# KiCad board ae89fa26-SparkFun_Thing_Plus_ESP32-S3_panelized.kicad_pcb (continued)
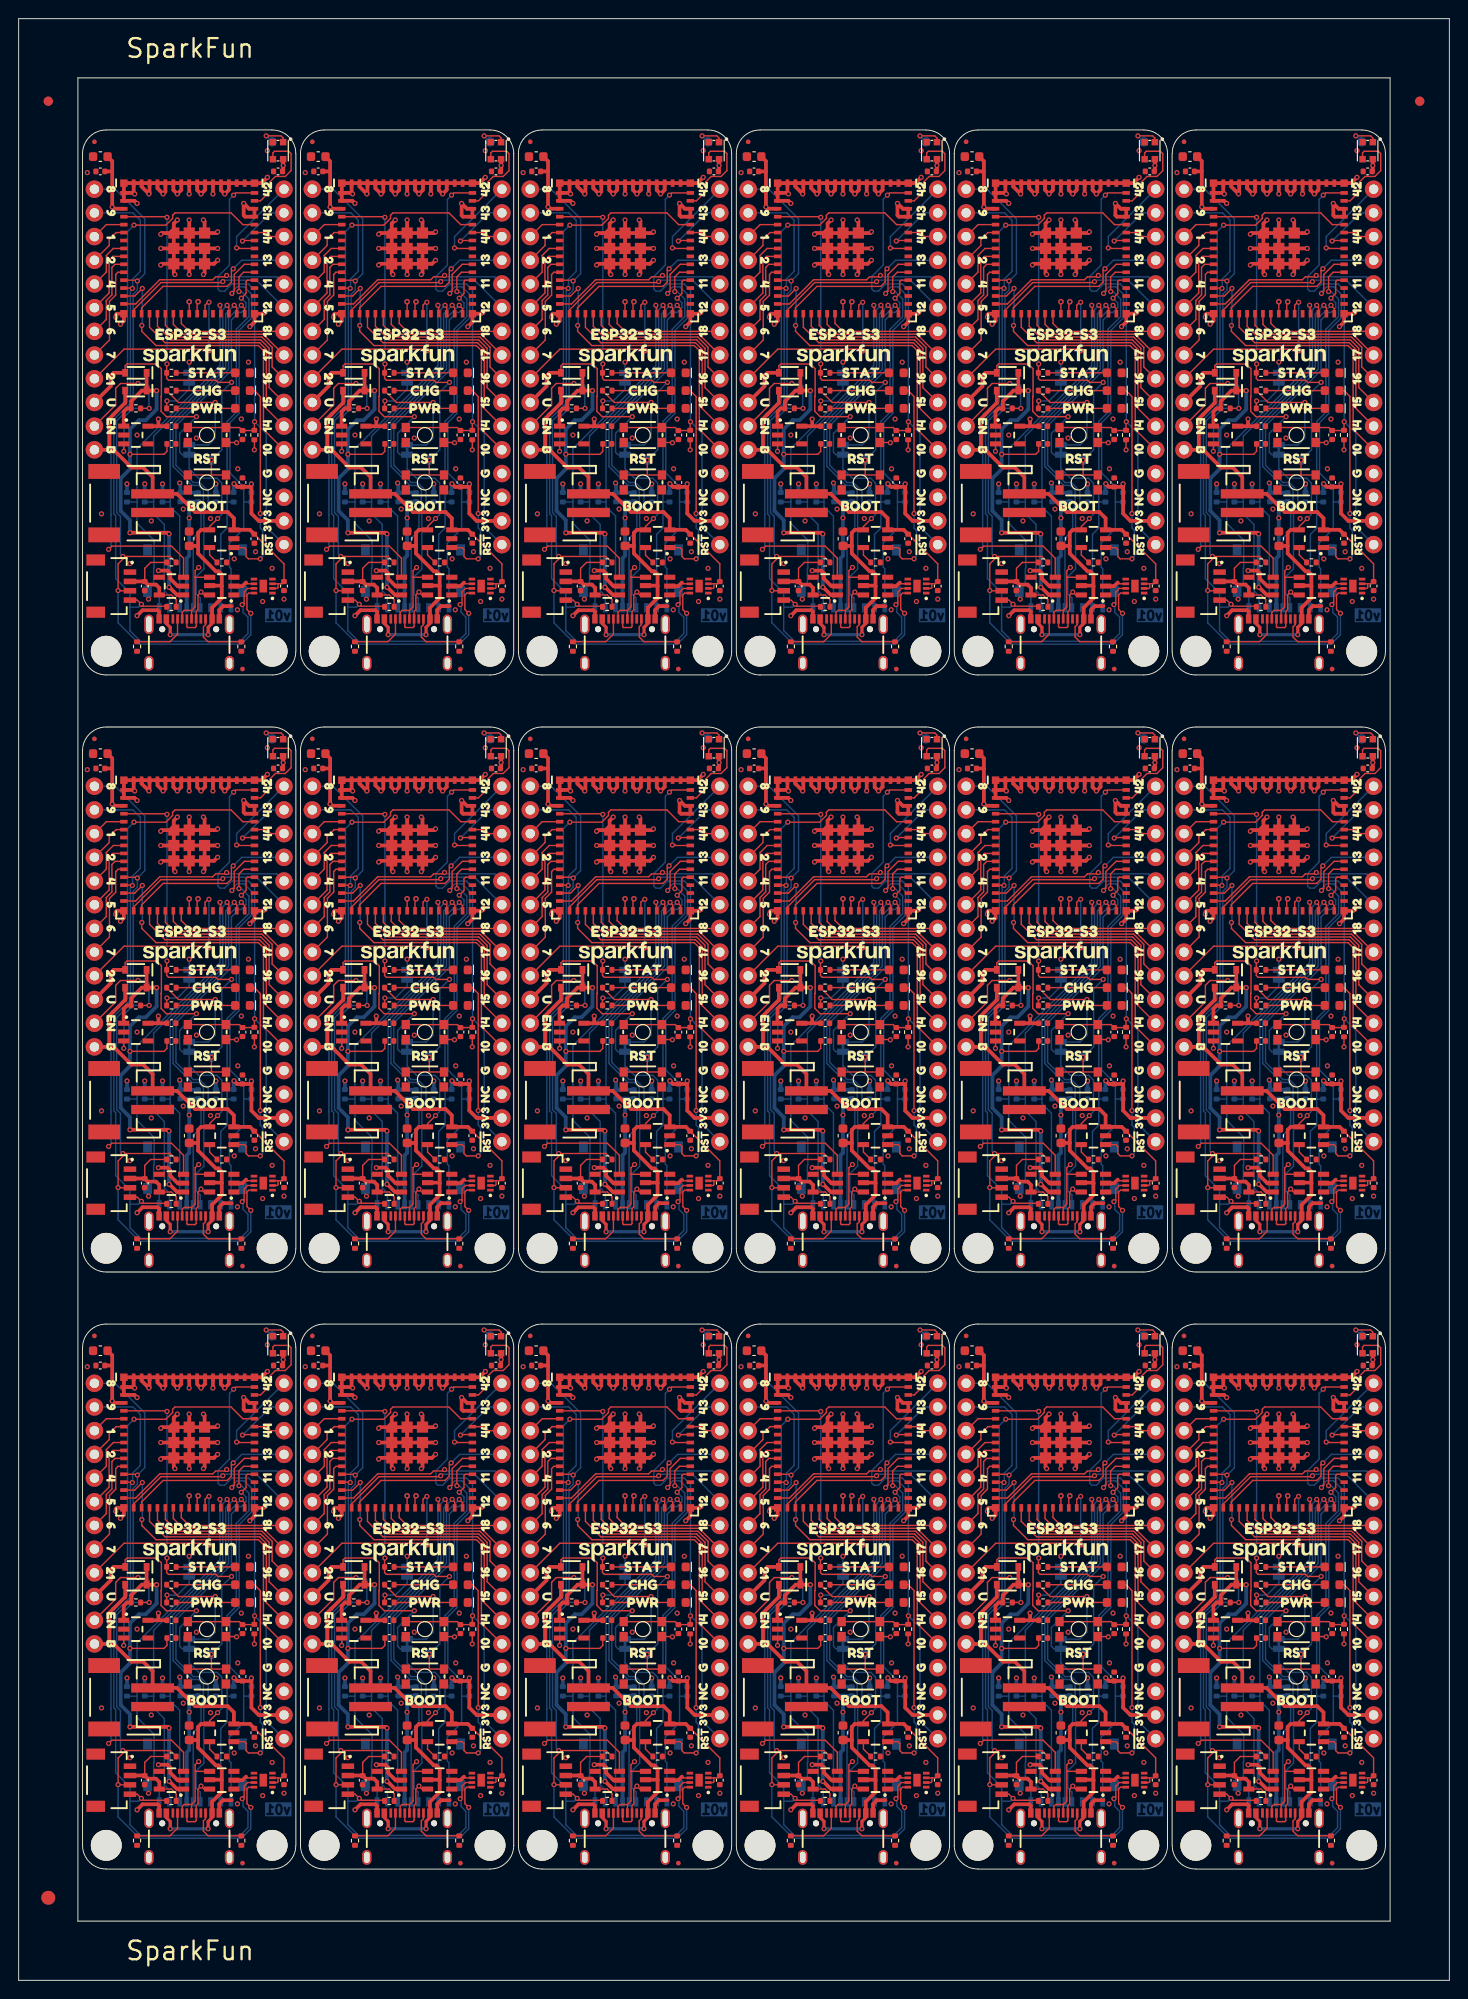
[diagram p0: board, top side]
## Routing (per net, layer and track width the routed paths; a pad name or vN(x,y) marks a point on that pad's centre or on a via; arc(x,y) is an arc through that point) (continued)
  Top w0.349: J1.VBUS 15.83,81.45 16.25,81.03 v1(16.25,80.25) ; J1#5.VBUS 90.81,81.45 90.39,81.03 v1(90.39,80.25) ; v1(109.69,80.25) 109.69,81.03 109.27,81.45 J1#14.VBUS ; v1(62.97,80.25) 62.97,81.03 62.55,81.45 J1#8.VBUS ; v1(86.33,16.25) 86.33,17.03 85.91,17.45 J1#4.VBUS ; v1(137.11,16.25) 137.11,17.03 137.53,17.45 J1#9.VBUS ; J1#13.VBUS 62.55,145.45 62.97,145.03 v1(62.97,144.25) ; J1#12.VBUS 39.19,145.45 39.61,145.03 v1(39.61,144.25) ; J1#10.VBUS 132.63,81.45 133.05,81.03 v1(133.05,80.25) ; v1(20.31,144.25) 20.31,145.03 20.73,145.45 J1#15.VBUS ; J1#2.VBUS 67.45,17.45 67.03,17.03 v1(67.03,16.25) ; v1(20.31,80.25) 20.31,81.03 20.73,81.45 J1.VBUS ; v1(67.03,80.25) 67.03,81.03 67.45,81.45 J1#8.VBUS ; J1#9.VBUS 132.63,17.45 133.05,17.03 v1(133.05,16.25) ; v1(133.05,144.25) 133.05,145.03 132.63,145.45 J1#11.VBUS ; J1#6.VBUS 109.27,17.45 109.69,17.03 v1(109.69,16.25) ; v1(113.75,80.25) 113.75,81.03 114.17,81.45 J1#14.VBUS ; J1#11.VBUS 137.53,145.45 137.11,145.03 v1(137.11,144.25) ; v1(86.33,144.25) 86.33,145.03 85.91,145.45 J1#17.VBUS ; v1(39.61,16.25) 39.61,17.03 39.19,17.45 J1#16.VBUS ; v1(43.67,144.25) 43.67,145.03 44.09,145.45 J1#12.VBUS ; v1(86.33,80.25) 86.33,81.03 85.91,81.45 J1#5.VBUS ; v1(113.75,16.25) 113.75,17.03 114.17,17.45 J1#6.VBUS ; J1#2.VBUS 62.55,17.45 62.97,17.03 v1(62.97,16.25) ; J1#18.VBUS 20.73,17.45 20.31,17.03 v1(20.31,16.25) ; v1(109.69,144.25) 109.69,145.03 109.27,145.45 J1#7.VBUS ; J1#10.VBUS 137.53,81.45 137.11,81.03 v1(137.11,80.25) ; J1#13.VBUS 67.45,145.45 67.03,145.03 v1(67.03,144.25) ; v1(90.39,144.25) 90.39,145.03 90.81,145.45 J1#17.VBUS ; J1#15.VBUS 15.83,145.45 16.25,145.03 v1(16.25,144.25) ; J1#18.VBUS 15.83,17.45 16.25,17.03 v1(16.25,16.25) ; v1(43.67,80.25) 43.67,81.03 44.09,81.45 J1#3.VBUS ; v1(90.39,16.25) 90.39,17.03 90.81,17.45 J1#4.VBUS ; v1(113.75,144.25) 113.75,145.03 114.17,145.45 J1#7.VBUS ; J1#16.VBUS 44.09,17.45 43.67,17.03 v1(43.67,16.25) ; v1(39.61,80.25) 39.61,81.03 39.19,81.45 J1#3.VBUS
  Top w0.406: J1#12.VBUS 44.09,147.14 45.13,148.19 45.13,149.46 ; J1#7.VBUS 114.17,147.14 115.21,148.19 115.21,149.46 ; U2#9.5 91.8,85.51 91.85,85.46 ; 136.03,89.74 136.03,88.95 137.94,87.04 138.23,87.04 138.57,86.69 138.57,85.46 ; 136.03,89.74 136.01,89.76 C9#3.1 ; 136.03,89.74 136.03,91.17 136.35,91.49 U5#10.4 ; 19.23,25.74 19.21,25.76 C9.1 ; 19.23,25.74 19.23,24.95 21.14,23.04 21.43,23.04 21.77,22.69 21.77,21.46 ; 19.23,25.74 19.23,27.17 19.55,27.49 U5.4 ; D2#12.A 103.62,108.32 103.31,108 103.31,106.89 U10#15.10 ; 21.77,149.46 21.77,148.19 20.73,147.14 J1#15.VBUS ; 21.77,149.46 21.77,150.69 21.43,151.04 21.14,151.04 19.23,152.95 19.23,153.74 ; 21.77,149.46 21.72,149.51 U2#3.5 ; 112.67,25.74 112.67,24.95 114.58,23.04 114.87,23.04 115.21,22.69 115.21,21.46 ; 112.67,25.74 112.65,25.76 C9#14.1 ; 112.67,25.74 112.67,27.17 112.99,27.49 U5#5.4 ; D2#11.A 33.54,172.32 33.23,172 33.23,170.89 U10#5.10 ; 138.57,149.46 138.57,148.19 137.53,147.14 J1#11.VBUS ; 138.57,149.46 138.57,150.69 138.23,151.04 137.94,151.04 136.03,152.95 136.03,153.74 ; 138.57,149.46 138.52,149.51 U2#10.5 ; 42.59,89.74 42.59,88.95 44.5,87.04 44.79,87.04 45.13,86.69 45.13,85.46 ; 42.59,89.74 42.59,91.17 42.91,91.49 U5#8.4 ; 42.59,89.74 42.57,89.76 C9#5.1 ; 91.85,85.46 91.85,86.69 91.51,87.04 91.22,87.04 89.31,88.95 89.31,89.74 ; 91.85,85.46 91.85,84.19 90.81,83.14 J1#5.VBUS ; 65.95,89.74 65.93,89.76 C9#16.1 ; 65.95,89.74 65.95,88.95 67.86,87.04 68.15,87.04 68.49,86.69 68.49,85.46 ; 65.95,89.74 65.95,91.17 66.27,91.49 U5#11.4 ; C9#18.1 136.01,25.76 136.03,25.74 ; 19.23,153.74 19.23,155.17 19.55,155.49 U5#2.4 ; 19.23,153.74 19.21,153.76 C9#12.1 ; D2#4.A 56.9,44.32 56.59,44 56.59,42.89 U10#6.10 ; C9#17.1 112.65,89.76 112.67,89.74 ; 68.49,21.46 68.44,21.51 U2#5.5 ; 68.49,21.46 68.49,20.19 67.45,19.14 J1#2.VBUS ; 68.49,21.46 68.49,22.69 68.15,23.04 67.86,23.04 65.95,24.95 65.95,25.74 ; D2#6.A 80.26,44.32 79.95,44 79.95,42.89 U10#11.10 ; 42.59,25.74 42.57,25.76 C9#11.1 ; 42.59,25.74 42.59,27.17 42.91,27.49 U5#4.4 ; 42.59,25.74 42.59,24.95 44.5,23.04 44.79,23.04 45.13,22.69 45.13,21.46 ; 89.31,153.74 89.29,153.76 C9#4.1 ; 89.31,153.74 89.31,152.95 91.22,151.04 91.51,151.04 91.85,150.69 91.85,149.46 ; 89.31,153.74 89.31,155.17 89.63,155.49 U5#15.4 ; C9#10.1 89.29,89.76 89.31,89.74 ; 112.67,89.74 112.67,88.95 114.58,87.04 114.87,87.04 115.21,86.69 115.21,85.46 ; 112.67,89.74 112.67,91.17 112.99,91.49 U5#9.4 ; 45.13,149.46 45.08,149.51 U2#12.5 ; 45.13,149.46 45.13,150.69 44.79,151.04 44.5,151.04 42.59,152.95 42.59,153.74 ; 91.85,149.46 91.85,148.19 90.81,147.14 J1#17.VBUS ; 91.85,149.46 91.8,149.51 U2#17.5 ; U2.5 45.08,21.51 45.13,21.46 ; D2#18.A 10.18,44.32 9.87,44 9.87,42.89 U10#18.10 ; 115.21,149.46 115.16,149.51 U2#13.5 ; 115.21,149.46 115.21,150.69 114.87,151.04 114.58,151.04 112.67,152.95 112.67,153.74 ; J1#10.VBUS 137.53,83.14 138.57,84.19 138.57,85.46 ; J1#8.VBUS 67.45,83.14 68.49,84.19 68.49,85.46 ; J1#13.VBUS 67.45,147.14 68.49,148.19 68.49,149.46 ; J1#9.VBUS 137.53,19.14 138.57,20.19 138.57,21.46 ; U5#6.4 89.63,27.49 89.31,27.17 89.31,25.74 ; 45.13,85.46 45.13,84.19 44.09,83.14 J1#3.VBUS ; 45.13,85.46 45.08,85.51 U2#16.5 ; 19.23,89.74 19.23,88.95 21.14,87.04 21.43,87.04 21.77,86.69 21.77,85.46 ; 19.23,89.74 19.21,89.76 C9#2.1 ; 19.23,89.74 19.23,91.17 19.55,91.49 U5#3.4 ; J1.VBUS 20.73,83.14 21.77,84.19 21.77,85.46 ; U2#8.5 115.16,85.51 115.21,85.46 ; 65.95,153.74 65.93,153.76 C9#9.1 ; 65.95,153.74 65.95,152.95 67.86,151.04 68.15,151.04 68.49,150.69 68.49,149.46 ; 65.95,153.74 65.95,155.17 66.27,155.49 U5#14.4 ; 115.21,21.46 115.16,21.51 U2#15.5 ; 115.21,21.46 115.21,20.19 114.17,19.14 J1#6.VBUS ; 112.67,153.74 112.65,153.76 C9#15.1 ; 112.67,153.74 112.67,155.17 112.99,155.49 U5#16.4 ; 42.59,153.74 42.59,155.17 42.91,155.49 U5#13.4 ; 42.59,153.74 42.57,153.76 C9#7.1 ; U10#9.10 56.59,106.89 56.59,108 56.9,108.32 D2#2.A ; D2#15.A 126.98,108.32 126.67,108 126.67,106.89 U10#8.10 ; U2#18.5 21.72,21.51 21.77,21.46 ; 115.21,85.46 115.21,84.19 114.17,83.14 J1#14.VBUS ; 89.31,89.74 89.31,91.17 89.63,91.49 U5#18.4 ; U10#4.10 33.23,106.89 33.23,108 33.54,108.32 D2#9.A ; U5#7.4 66.27,27.49 65.95,27.17 65.95,25.74 ; J1#18.VBUS 20.73,19.14 21.77,20.19 21.77,21.46 ; 138.57,21.46 138.57,22.69 138.23,23.04 137.94,23.04 136.03,24.95 136.03,25.74 ; 138.57,21.46 138.52,21.51 U2#4.5 ; U2#6.5 68.44,149.51 68.49,149.46 ; 45.13,21.46 45.13,20.19 44.09,19.14 J1#16.VBUS ; 89.31,25.74 89.29,25.76 C9#13.1 ; 89.31,25.74 89.31,24.95 91.22,23.04 91.51,23.04 91.85,22.69 91.85,21.46 ; D2#3.A 56.9,172.32 56.59,172 56.59,170.89 U10#12.10 ; 136.03,25.74 136.03,27.17 136.35,27.49 U5#12.4 ; 138.57,85.46 138.52,85.51 U2#7.5 ; 91.85,21.46 91.8,21.51 U2#11.5 ; 91.85,21.46 91.85,20.19 90.81,19.14 J1#4.VBUS ; U2#2.5 21.72,85.51 21.77,85.46 ; U10#10.10 126.67,42.89 126.67,44 126.98,44.32 D2#14.A ; 68.49,85.46 68.44,85.51 U2#14.5 ; U10#7.10 126.67,170.89 126.67,172 126.98,172.32 D2#16.A ; 136.03,153.74 136.03,155.17 136.35,155.49 U5#17.4 ; 136.03,153.74 136.01,153.76 C9#6.1 ; C9#8.1 65.93,25.76 65.95,25.74 ; D2#10.A 10.18,172.32 9.87,172 9.87,170.89 U10#2.10 ; U10#17.10 79.95,106.89 79.95,108 80.26,108.32 D2.A ; D2#13.A 103.62,172.32 103.31,172 103.31,170.89 U10#16.10 ; U10#14.10 103.31,42.89 103.31,44 103.62,44.32 D2#5.A ; D2#17.A 80.26,172.32 79.95,172 79.95,170.89 U10#13.10 ; D2#8.A 33.54,44.32 33.23,44 33.23,42.89 U10#3.10 ; U10.10 9.87,106.89 9.87,108 10.18,108.32 D2#7.A
  Bottom w0.152: v1(138.13,28.69) 138.57,29.14 138.57,32.49 138.05,33.01 136.1,33.01 135.08,34.03 JP1#14.2 134.33,35.54 134.06,35.81 134.06,37.83 v1(135.85,39.62) ; v1(65.77,167.62) 63.98,165.83 63.98,163.81 64.25,163.54 JP1#9.2 65,162.03 66.02,161.01 67.97,161.01 68.49,160.49 68.49,157.14 v1(68.05,156.69) ; v1(135.85,103.62) 134.06,101.83 134.06,99.81 134.33,99.54 JP1#18.2 135.08,98.03 136.1,97.01 138.05,97.01 138.57,96.49 138.57,93.14 v1(138.13,92.69) ; v1(65.77,103.62) 63.98,101.83 63.98,99.81 64.25,99.54 JP1#8.2 65,98.03 66.02,97.01 67.97,97.01 68.49,96.49 68.49,93.14 v1(68.05,92.69) ; v1(89.13,39.62) 87.34,37.83 87.34,35.81 87.61,35.54 JP1#10.2 88.36,34.03 89.38,33.01 91.33,33.01 91.85,32.49 91.85,29.14 v1(91.41,28.69) ; v1(42.41,167.62) 40.62,165.83 40.62,163.81 40.89,163.54 JP1#7.2 41.64,162.03 42.66,161.01 44.61,161.01 45.13,160.49 45.13,157.14 v1(44.69,156.69) ; v1(112.49,103.62) 110.7,101.83 110.7,99.81 110.97,99.54 JP1#15.2 111.72,98.03 112.74,97.01 114.69,97.01 115.21,96.49 115.21,93.14 v1(114.77,92.69) ; v1(44.69,28.69) 45.13,29.14 45.13,32.49 44.61,33.01 42.66,33.01 41.64,34.03 JP1#3.2 40.89,35.54 40.62,35.81 40.62,37.83 v1(42.41,39.62) ; v1(19.05,39.62) 17.26,37.83 17.26,35.81 17.53,35.54 JP1.2 18.28,34.03 19.3,33.01 21.25,33.01 21.77,32.49 21.77,29.14 v1(21.33,28.69) ; v1(42.41,103.62) 40.62,101.83 40.62,99.81 40.89,99.54 JP1#6.2 41.64,98.03 42.66,97.01 44.61,97.01 45.13,96.49 45.13,93.14 v1(44.69,92.69) ; v1(89.13,103.62) 87.34,101.83 87.34,99.81 87.61,99.54 JP1#12.2 88.36,98.03 89.38,97.01 91.33,97.01 91.85,96.49 91.85,93.14 v1(91.41,92.69) ; v1(114.77,28.69) 115.21,29.14 115.21,32.49 114.69,33.01 112.74,33.01 111.72,34.03 JP1#2.2 110.97,35.54 110.7,35.81 110.7,37.83 v1(112.49,39.62) ; v1(19.05,167.62) 17.26,165.83 17.26,163.81 17.53,163.54 JP1#5.2 18.28,162.03 19.3,161.01 21.25,161.01 21.77,160.49 21.77,157.14 v1(21.33,156.69) ; v1(112.49,167.62) 110.7,165.83 110.7,163.81 110.97,163.54 JP1#17.2 111.72,162.03 112.74,161.01 114.69,161.01 115.21,160.49 115.21,157.14 v1(114.77,156.69) ; v1(68.05,28.69) 68.49,29.14 68.49,32.49 67.97,33.01 66.02,33.01 65,34.03 JP1#11.2 64.25,35.54 63.98,35.81 63.98,37.83 v1(65.77,39.62) ; v1(19.05,103.62) 17.26,101.83 17.26,99.81 17.53,99.54 JP1#4.2 18.28,98.03 19.3,97.01 21.25,97.01 21.77,96.49 21.77,93.14 v1(21.33,92.69) ; v1(138.13,156.69) 138.57,157.14 138.57,160.49 138.05,161.01 136.1,161.01 135.08,162.03 JP1#16.2 134.33,163.54 134.06,163.81 134.06,165.83 v1(135.85,167.62) ; v1(91.41,156.69) 91.85,157.14 91.85,160.49 91.33,161.01 89.38,161.01 88.36,162.03 JP1#13.2 87.61,163.54 87.34,163.81 87.34,165.83 v1(89.13,167.62)
  Bottom w0.349: v1(86.33,144.25) v1(90.39,144.25) ; v1(16.25,16.25) v1(20.31,16.25) ; v1(133.05,80.25) v1(137.11,80.25) ; v1(62.97,144.25) v1(67.03,144.25) ; v1(133.05,16.25) v1(137.11,16.25) ; v1(109.69,144.25) v1(113.75,144.25) ; v1(109.69,16.25) v1(113.75,16.25) ; v1(16.25,80.25) v1(20.31,80.25) ; v1(62.97,80.25) v1(67.03,80.25) ; v1(133.05,144.25) v1(137.11,144.25) ; v1(16.25,144.25) v1(20.31,144.25) ; v1(39.61,16.25) v1(43.67,16.25) ; v1(109.69,80.25) v1(113.75,80.25) ; v1(86.33,16.25) v1(90.39,16.25) ; v1(39.61,144.25) v1(43.67,144.25) ; v1(39.61,80.25) v1(43.67,80.25) ; v1(62.97,16.25) v1(67.03,16.25) ; v1(86.33,80.25) v1(90.39,80.25)
Net-(D1-A): length 113.8
  Top w0.152: R7#16.2 D1#17.2 ; R7#8.2 D1.2 ; R7#12.2 D1#5.2 ; R7#4.2 D1#2.2 ; R7#18.2 D1#18.2 ; R7#5.2 D1#13.2 ; R7#10.2 D1#3.2 ; R7#13.2 D1#9.2 ; R7.2 D1#6.2 ; R7#9.2 D1#14.2 ; R7#7.2 D1#16.2 ; R7#2.2 D1#7.2 ; R7#3.2 D1#11.2 ; R7#14.2 D1#12.2 ; R7#6.2 D1#15.2 ; R7#17.2 D1#10.2 ; R7#15.2 D1#8.2 ; R7#11.2 D1#4.2
Net-(D4-A): length 113.8
  Top w0.152: D4#18.2 R14#3.1 ; D4#14.2 R14#16.1 ; D4#10.2 R14.1 ; D4#11.2 R14#7.1 ; D4#17.2 R14#13.1 ; D4#5.2 R14#2.1 ; D4#8.2 R14#12.1 ; D4#6.2 R14#8.1 ; D4#12.2 R14#5.1 ; D4#13.2 R14#9.1 ; D4.2 R14#15.1 ; D4#3.2 R14#17.1 ; D4#2.2 R14#18.1 ; D4#7.2 R14#10.1 ; D4#16.2 R14#11.1 ; D4#4.2 R14#4.1 ; D4#9.2 R14#14.1 ; D4#15.2 R14#6.1
Net-(D4-K): length 409.8
  Top w0.152: v1(142.7,93.23) 142.7,105.78 142.06,106.41 D4#9.1 ; v1(25.9,29.23) 25.9,41.78 25.27,42.41 D4#2.1 ; U5#7.1 70.9,25.59 71.1,25.39 71.1,24.63 71.35,24.38 v1(72.62,24.38) ; U5.1 24.18,25.59 24.38,25.39 24.38,24.63 24.63,24.38 v1(25.9,24.38) ; v1(25.9,88.38) 24.63,88.38 24.38,88.63 24.38,89.39 24.18,89.59 U5#3.1 ; v1(72.62,29.23) 72.62,41.78 71.99,42.41 D4#11.1 ; D4#3.1 25.27,106.41 25.9,105.78 v1(25.9,93.23) ; U5#10.1 140.98,89.59 141.18,89.39 141.18,88.63 141.43,88.38 v1(142.7,88.38) ; D4#15.1 95.34,106.41 95.98,105.78 v1(95.98,93.23) ; v1(119.34,24.38) 118.07,24.38 117.82,24.63 117.82,25.39 117.62,25.59 U5#5.1 ; U5#14.1 70.9,153.59 71.1,153.39 71.1,152.63 71.35,152.38 v1(72.62,152.38) ; U5#8.1 47.54,89.59 47.74,89.39 47.74,88.63 47.99,88.38 v1(49.26,88.38) ; v1(72.62,88.38) 71.35,88.38 71.1,88.63 71.1,89.39 70.9,89.59 U5#11.1 ; U5#15.1 94.26,153.59 94.46,153.39 94.46,152.63 94.71,152.38 v1(95.98,152.38) ; D4#4.1 48.62,106.41 49.26,105.78 v1(49.26,93.23) ; v1(49.26,157.23) 49.26,169.78 48.62,170.41 D4#14.1 ; v1(49.26,29.23) 49.26,41.78 48.62,42.41 D4#18.1 ; v1(95.98,88.38) 94.71,88.38 94.46,88.63 94.46,89.39 94.26,89.59 U5#18.1 ; v1(49.26,24.38) 47.99,24.38 47.74,24.63 47.74,25.39 47.54,25.59 U5#4.1 ; v1(49.26,152.38) 47.99,152.38 47.74,152.63 47.74,153.39 47.54,153.59 U5#13.1 ; D4#6.1 71.99,106.41 72.62,105.78 v1(72.62,93.23) ; v1(95.98,29.23) 95.98,41.78 95.34,42.41 D4#12.1 ; D4#8.1 118.71,170.41 119.34,169.78 v1(119.34,157.23) ; D4#17.1 142.06,42.41 142.7,41.78 v1(142.7,29.23) ; D4#7.1 118.71,42.41 119.34,41.78 v1(119.34,29.23) ; v1(72.62,157.23) 72.62,169.78 71.99,170.41 D4#10.1 ; v1(142.7,157.23) 142.7,169.78 142.06,170.41 D4.1 ; v1(119.34,88.38) 118.07,88.38 117.82,88.63 117.82,89.39 117.62,89.59 U5#9.1 ; v1(119.34,93.23) 119.34,105.78 118.71,106.41 D4#16.1 ; v1(142.7,152.38) 141.43,152.38 141.18,152.63 141.18,153.39 140.98,153.59 U5#17.1 ; D4#13.1 95.34,170.41 95.98,169.78 v1(95.98,157.23) ; v1(142.7,24.38) 141.43,24.38 141.18,24.63 141.18,25.39 140.98,25.59 U5#12.1 ; v1(25.9,157.23) 25.9,169.78 25.27,170.41 D4#5.1 ; U5#2.1 24.18,153.59 24.38,153.39 24.38,152.63 24.63,152.38 v1(25.9,152.38) ; v1(119.34,152.38) 118.07,152.38 117.82,152.63 117.82,153.39 117.62,153.59 U5#16.1 ; U5#6.1 94.26,25.59 94.46,25.39 94.46,24.63 94.71,24.38 v1(95.98,24.38)
  Bottom w0.152: v1(95.98,93.23) 95.98,91.68 96.23,91.42 96.23,88.63 v1(95.98,88.38) ; v1(25.9,93.23) 25.9,91.68 26.15,91.42 26.15,88.63 v1(25.9,88.38) ; v1(72.62,93.23) 72.62,91.68 72.87,91.42 72.87,88.63 v1(72.62,88.38) ; v1(142.7,24.38) 142.95,24.63 142.95,27.42 142.7,27.68 v1(142.7,29.23) ; v1(49.26,88.38) 49.51,88.63 49.51,91.42 49.26,91.68 v1(49.26,93.23) ; v1(72.62,24.38) 72.87,24.63 72.87,27.42 72.62,27.68 v1(72.62,29.23) ; v1(142.7,93.23) 142.7,91.68 142.95,91.42 142.95,88.63 v1(142.7,88.38) ; v1(142.7,157.23) 142.7,155.68 142.95,155.42 142.95,152.63 v1(142.7,152.38) ; v1(25.9,157.23) 25.9,155.68 26.15,155.42 26.15,152.63 v1(25.9,152.38) ; v1(119.34,157.23) 119.34,155.68 119.59,155.42 119.59,152.63 v1(119.34,152.38) ; v1(95.98,157.23) 95.98,155.68 96.23,155.42 96.23,152.63 v1(95.98,152.38) ; v1(25.9,24.38) 26.15,24.63 26.15,27.42 25.9,27.68 v1(25.9,29.23) ; v1(49.26,157.23) 49.26,155.68 49.51,155.42 49.51,152.63 v1(49.26,152.38) ; v1(72.62,152.38) 72.87,152.63 72.87,155.42 72.62,155.68 v1(72.62,157.23) ; v1(49.26,24.38) 49.51,24.63 49.51,27.42 49.26,27.68 v1(49.26,29.23) ; v1(119.34,93.23) 119.34,91.68 119.59,91.42 119.59,88.63 v1(119.34,88.38) ; v1(119.34,24.38) 119.59,24.63 119.59,27.42 119.34,27.68 v1(119.34,29.23) ; v1(95.98,24.38) 96.23,24.63 96.23,27.42 95.98,27.68 v1(95.98,29.23)
Net-(D5-A): length 113.8
  Top w0.152: R9#3.2 D5#13.2 ; R9#6.2 D5#2.2 ; R9#9.2 D5#15.2 ; R9#13.2 D5#7.2 ; R9#14.2 D5#17.2 ; R9#12.2 D5#6.2 ; R9#15.2 D5#8.2 ; R9#11.2 D5#4.2 ; R9.2 D5#16.2 ; R9#4.2 D5.2 ; R9#2.2 D5#10.2 ; R9#18.2 D5#18.2 ; R9#7.2 D5#12.2 ; R9#8.2 D5#3.2 ; R9#5.2 D5#5.2 ; R9#16.2 D5#9.2 ; R9#10.2 D5#14.2 ; R9#17.2 D5#11.2
Net-(D6-DOUT): length 58.6
  Top w0.152: D6#15.2 145.16,133.48 144.92,133.72 v1(143.34,133.72) ; D6#18.2 51.72,69.48 51.48,69.72 v1(49.9,69.72) ; v1(96.62,133.72) 98.2,133.72 98.44,133.48 D6#3.2 ; v1(143.34,69.72) 144.92,69.72 145.16,69.48 D6#8.2 ; v1(96.62,197.72) 98.2,197.72 98.44,197.48 D6#11.2 ; 121.79,197.04 121.79,197.48 121.56,197.72 v1(119.97,197.72) ; D6#13.2 98.44,69.48 98.2,69.72 v1(96.62,69.72) ; v1(119.97,133.72) 121.56,133.72 121.79,133.48 121.79,133.04 ; D6.2 28.36,69.48 28.12,69.72 v1(26.53,69.72) ; v1(73.25,69.72) 74.84,69.72 75.07,69.48 75.07,69.04 ; 75.07,197.04 75.07,197.48 74.84,197.72 v1(73.25,197.72) ; D6#16.2 28.36,133.48 28.12,133.72 v1(26.53,133.72) ; v1(26.53,197.72) 28.12,197.72 28.36,197.48 D6#17.2 ; D6#7.2 51.72,133.48 51.48,133.72 v1(49.9,133.72) ; D6#12.2 51.72,197.48 51.48,197.72 v1(49.9,197.72) ; v1(73.25,133.72) 74.84,133.72 75.07,133.48 75.07,133.04 ; v1(119.97,69.72) 121.56,69.72 121.79,69.48 121.79,69.04 ; v1(143.34,197.72) 144.92,197.72 145.16,197.48 D6#4.2
  Bottom w0.152: TP1#18.1 v1(26.53,69.72) ; TP1#7.1 v1(73.25,197.72) ; TP1.1 v1(96.62,69.72) ; TP1#9.1 v1(73.25,133.72) ; TP1#4.1 v1(26.53,133.72) ; TP1#11.1 v1(73.25,69.72) ; TP1#10.1 v1(96.62,133.72) ; TP1#3.1 v1(49.9,133.72) ; TP1#13.1 v1(49.9,197.72) ; TP1#6.1 v1(49.9,69.72) ; TP1#8.1 v1(119.97,133.72) ; TP1#17.1 v1(96.62,197.72) ; TP1#5.1 v1(26.53,197.72) ; TP1#16.1 v1(119.97,197.72) ; TP1#2.1 v1(119.97,69.72) ; TP1#14.1 v1(143.34,69.72) ; TP1#12.1 v1(143.34,133.72) ; TP1#15.1 v1(143.34,197.72)
Net-(J1-CC1): length 113.5
  Top w0.152: R11#17.1 39.57,143.49 40.39,144.31 J1#12.A5 ; J1#16.A5 40.39,16.31 39.57,15.49 R11#11.1 ; J1#8.A5 63.75,80.31 62.93,79.49 R11#4.1 ; J1#18.A5 17.03,16.31 16.21,15.49 R11#18.1 ; R11#8.1 39.57,79.49 40.39,80.31 J1#3.A5 ; R11#14.1 86.29,143.49 87.11,144.31 J1#17.A5 ; R11#6.1 133.01,79.49 133.83,80.31 J1#10.A5 ; J1#7.A5 110.47,144.31 109.65,143.49 R11#15.1 ; R11#12.1 16.21,143.49 17.03,144.31 J1#15.A5 ; R11#13.1 86.29,79.49 87.11,80.31 J1#5.A5 ; R11#10.1 62.93,15.49 63.75,16.31 J1#2.A5 ; R11#5.1 109.65,79.49 110.47,80.31 J1#14.A5 ; R11.1 133.01,143.49 133.83,144.31 J1#11.A5 ; R11#2.1 16.21,79.49 17.03,80.31 J1.A5 ; J1#9.A5 133.83,16.31 133.01,15.49 R11#16.1 ; R11#9.1 109.65,15.49 110.47,16.31 J1#6.A5 ; J1#4.A5 87.11,16.31 86.29,15.49 R11#7.1 ; R11#3.1 62.93,143.49 63.75,144.31 J1#13.A5
Net-(J1-CC2): length 113.6
  Top w0.152: J1#10.B5 136.83,81.32 136.6,81.09 136.6,79.99 137.11,79.49 R10#8.2 ; R10#7.2 90.39,79.49 89.88,79.99 89.88,81.09 90.11,81.32 J1#5.B5 ; J1#17.B5 90.11,145.32 89.88,145.09 89.88,143.99 90.39,143.49 R10#15.2 ; R10#10.2 20.31,79.49 19.8,79.99 19.8,81.09 20.03,81.32 J1.B5 ; R10#11.2 43.67,15.49 43.16,15.99 43.16,17.09 43.39,17.32 J1#16.B5 ; J1#15.B5 20.03,145.32 19.8,145.09 19.8,143.99 20.31,143.49 R10#5.2 ; R10#13.2 113.75,79.49 113.24,79.99 113.24,81.09 113.47,81.32 J1#14.B5 ; R10#2.2 67.03,15.49 66.52,15.99 66.52,17.09 66.75,17.32 J1#2.B5 ; R10#12.2 67.03,79.49 66.52,79.99 66.52,81.09 66.75,81.32 J1#8.B5 ; R10#18.2 20.31,15.49 19.8,15.99 19.8,17.09 20.03,17.32 J1#18.B5 ; J1#3.B5 43.39,81.32 43.16,81.09 43.16,79.99 43.67,79.49 R10#6.2 ; R10#9.2 137.11,143.49 136.6,143.99 136.6,145.09 136.83,145.32 J1#11.B5 ; R10#4.2 90.39,15.49 89.88,15.99 89.88,17.09 90.11,17.32 J1#4.B5 ; R10#14.2 43.67,143.49 43.16,143.99 43.16,145.09 43.39,145.32 J1#12.B5 ; R10#3.2 137.11,15.49 136.6,15.99 136.6,17.09 136.83,17.32 J1#9.B5 ; R10#17.2 113.75,15.49 113.24,15.99 113.24,17.09 113.47,17.32 J1#6.B5 ; R10#16.2 113.75,143.49 113.24,143.99 113.24,145.09 113.47,145.32 J1#7.B5 ; R10.2 67.03,143.49 66.52,143.99 66.52,145.09 66.75,145.32 J1#13.B5
Net-(JP1-A): length 227.7
  Top w0.152: v1(91.15,41.14) 87.22,41.14 R14#5.2 ; v1(67.79,105.14) 63.85,105.14 R14#8.2 ; R14#9.2 87.22,169.14 v1(91.15,169.14) ; R14#3.2 40.5,41.14 v1(44.43,41.14) ; v1(114.51,105.14) 110.57,105.14 R14#11.2 ; R14#12.2 110.57,169.14 v1(114.51,169.14) ; R14.2 63.85,169.14 v1(67.79,169.14) ; R14#7.2 63.85,41.14 v1(67.79,41.14) ; R14#2.2 17.14,169.14 v1(21.07,169.14) ; R14#10.2 110.57,41.14 v1(114.51,41.14) ; R14#4.2 40.5,105.14 v1(44.43,105.14) ; v1(44.43,169.14) 40.5,169.14 R14#16.2 ; R14#13.2 133.94,41.14 v1(137.87,41.14) ; R14#15.2 133.94,169.14 v1(137.87,169.14) ; R14#18.2 17.14,41.14 v1(21.07,41.14) ; R14#14.2 133.94,105.14 v1(137.87,105.14) ; v1(21.07,105.14) 17.14,105.14 R14#17.2 ; R14#6.2 87.22,105.14 v1(91.15,105.14)
  Bottom w0.152: JP1#5.1 20.32,164.58 21.07,165.33 v1(21.07,169.14) ; v1(91.15,169.14) 91.15,165.33 90.4,164.58 JP1#13.1 ; v1(137.87,105.14) 137.87,101.33 137.12,100.58 JP1#18.1 ; v1(114.51,169.14) 114.51,165.33 113.76,164.58 JP1#17.1 ; JP1#12.1 90.4,100.58 91.15,101.33 v1(91.15,105.14) ; v1(21.07,105.14) 21.07,101.33 20.32,100.58 JP1#4.1 ; v1(114.51,41.14) 114.51,37.33 113.76,36.58 JP1#2.1 ; v1(114.51,105.14) 114.51,101.33 113.76,100.58 JP1#15.1 ; JP1#9.1 67.04,164.58 67.79,165.33 v1(67.79,169.14) ; v1(21.07,41.14) 21.07,37.33 20.32,36.58 JP1.1 ; v1(137.87,169.14) 137.87,165.33 137.12,164.58 JP1#16.1 ; v1(137.87,41.14) 137.87,37.33 137.12,36.58 JP1#14.1 ; v1(91.15,41.14) 91.15,37.33 90.4,36.58 JP1#10.1 ; v1(44.43,169.14) 44.43,165.33 43.68,164.58 JP1#7.1 ; v1(44.43,41.14) 44.43,37.33 43.68,36.58 JP1#3.1 ; v1(44.43,105.14) 44.43,101.33 43.68,100.58 JP1#6.1 ; v1(67.79,41.14) 67.79,37.33 67.04,36.58 JP1#11.1 ; v1(67.79,105.14) 67.79,101.33 67.04,100.58 JP1#8.1
Net-(JP4-A): length 79.6
  Top w0.152: R9#8.1 85.94,105.27 v1(85.98,105.3) ; R9#13.1 39.22,105.27 v1(39.26,105.3) ; R9#15.1 62.59,41.27 v1(62.62,41.3) ; v1(85.98,169.3) 85.94,169.27 R9#17.1 ; R9#5.1 39.22,41.27 v1(39.26,41.3) ; R9#7.1 109.31,41.27 v1(109.34,41.3) ; v1(85.98,41.3) 85.94,41.27 R9#2.1 ; v1(62.62,169.3) 62.59,169.27 R9#6.1 ; R9.1 109.31,105.27 v1(109.34,105.3) ; v1(15.9,41.3) 15.86,41.27 R9#18.1 ; v1(132.7,105.3) 132.66,105.27 R9#14.1 ; v1(15.9,169.3) 15.86,169.27 R9#12.1 ; R9#11.1 15.86,105.27 v1(15.9,105.3) ; v1(132.7,169.3) 132.66,169.27 R9#10.1 ; R9#4.1 39.22,169.27 v1(39.26,169.3) ; R9#9.1 109.31,169.27 v1(109.34,169.3) ; v1(132.7,41.3) 132.66,41.27 R9#3.1 ; R9#16.1 62.59,105.27 v1(62.62,105.3)
  Bottom w0.152: v1(15.9,169.3) 17.01,169.3 18.28,170.57 JP4.1 ; JP4#15.1 135.08,170.57 133.81,169.3 v1(132.7,169.3) ; v1(39.26,105.3) 40.37,105.3 41.64,106.57 JP4#5.1 ; JP4#16.1 65,42.57 63.73,41.3 v1(62.62,41.3) ; v1(85.98,41.3) 87.09,41.3 88.36,42.57 JP4#6.1 ; v1(39.26,169.3) 40.37,169.3 41.64,170.57 JP4#12.1 ; v1(109.34,169.3) 110.45,169.3 111.72,170.57 JP4#14.1 ; v1(85.98,105.3) 87.09,105.3 88.36,106.57 JP4#4.1 ; JP4#18.1 18.28,42.57 17.01,41.3 v1(15.9,41.3) ; v1(15.9,105.3) 17.01,105.3 18.28,106.57 JP4#2.1 ; v1(62.62,169.3) 63.73,169.3 65,170.57 JP4#13.1 ; JP4#7.1 88.36,170.57 87.09,169.3 v1(85.98,169.3) ; JP4#9.1 135.08,42.57 133.81,41.3 v1(132.7,41.3) ; JP4#8.1 111.72,106.57 110.45,105.3 v1(109.34,105.3) ; v1(109.34,41.3) 110.45,41.3 111.72,42.57 JP4#10.1 ; v1(62.62,105.3) 63.73,105.3 65,106.57 JP4#3.1 ; JP4#17.1 135.08,106.57 133.81,105.3 v1(132.7,105.3) ; v1(39.26,41.3) 40.37,41.3 41.64,42.57 JP4#11.1
